# KiCad board vme-wren.kicad_pcb (continued)
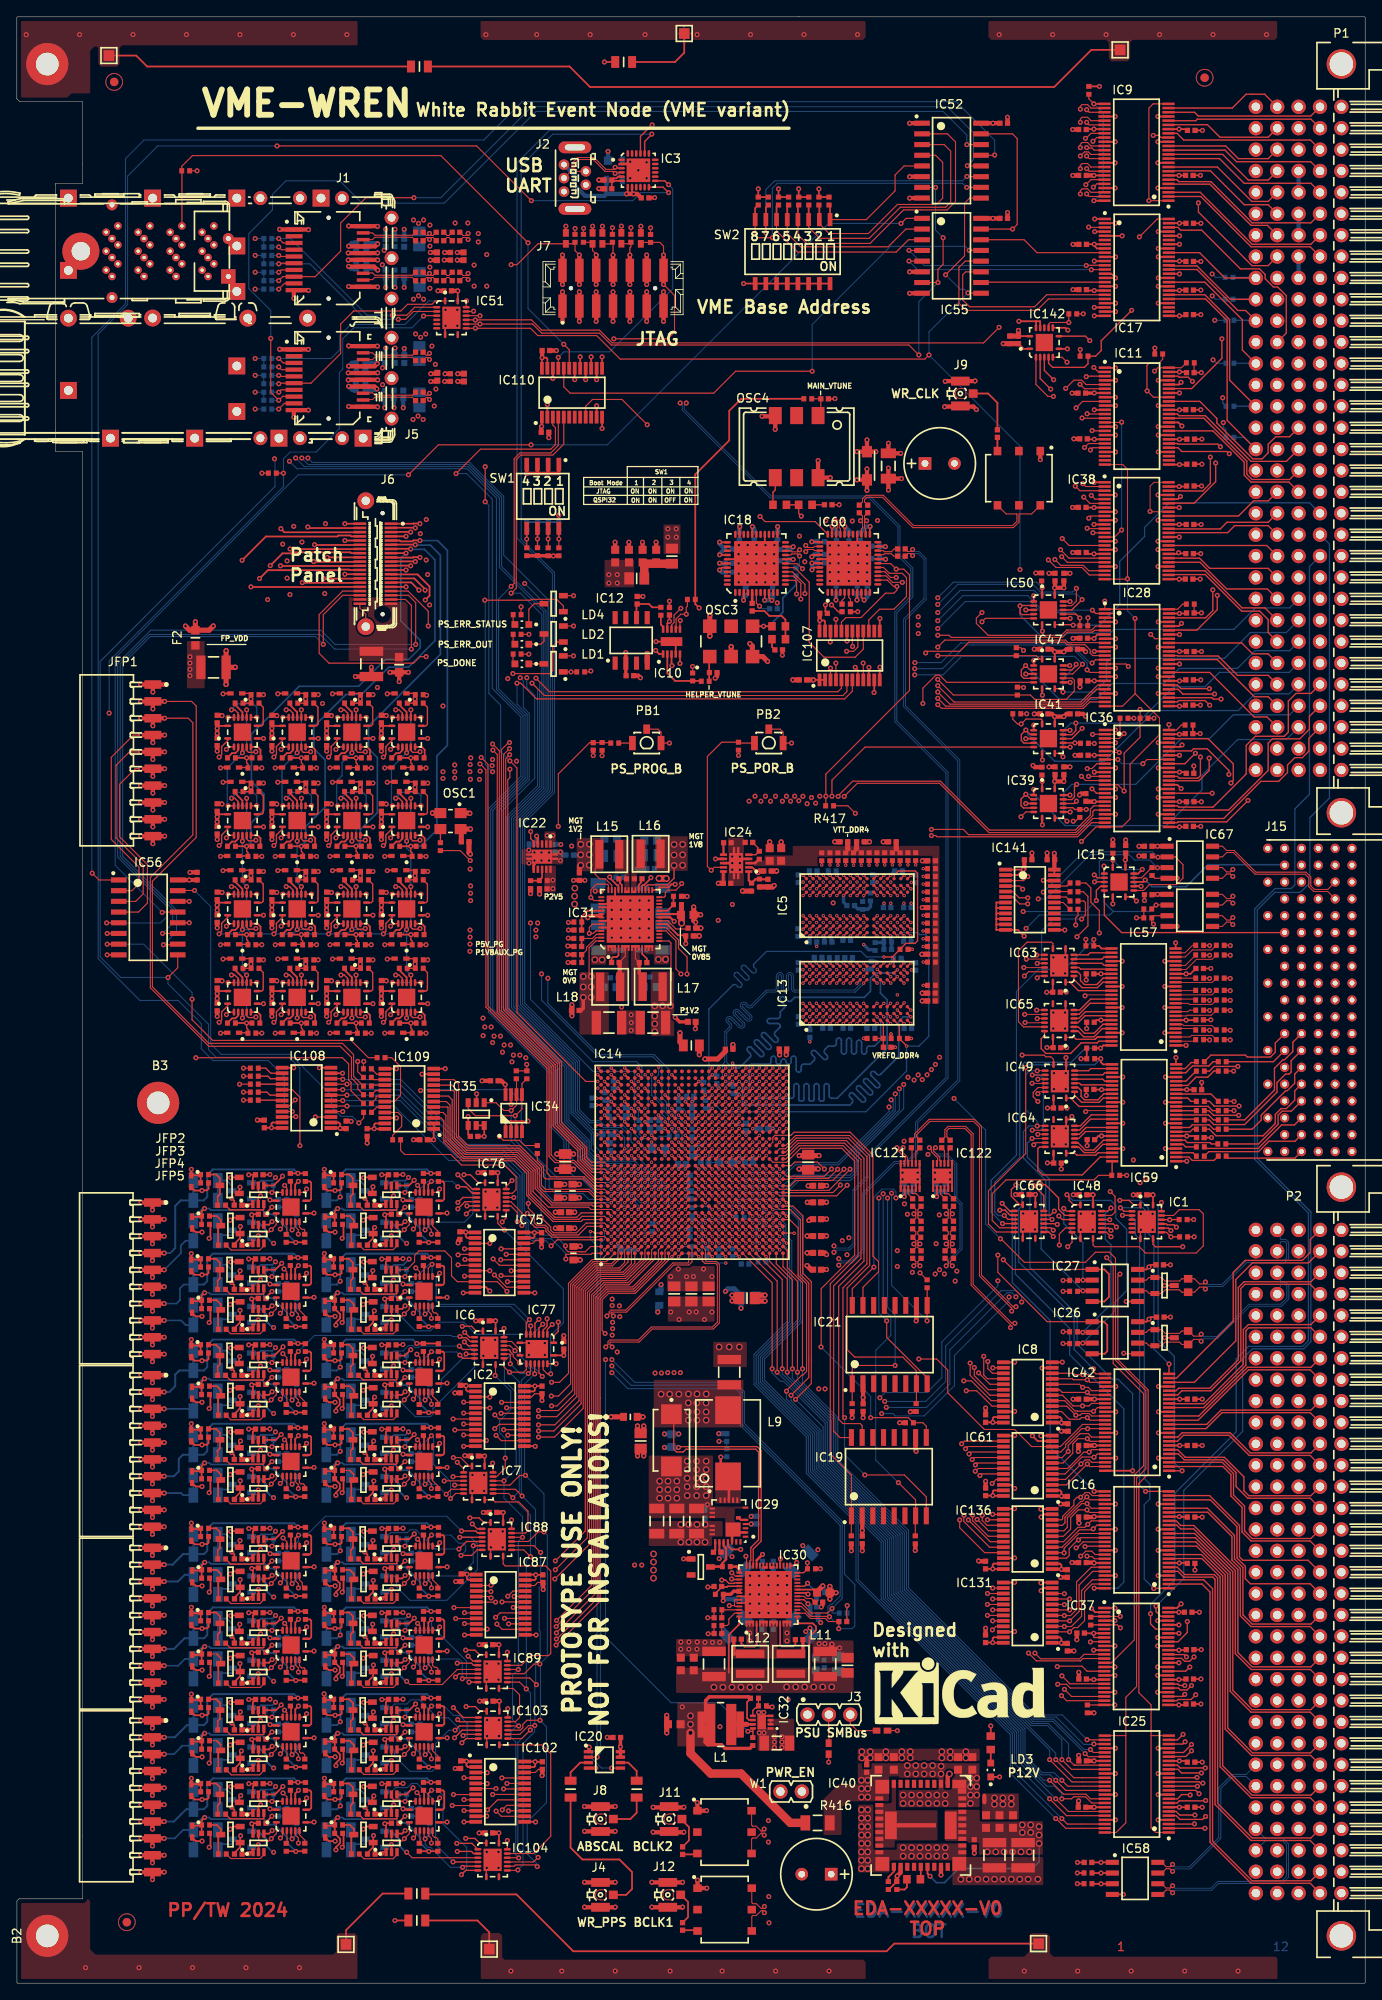
[diagram p0: board, top side]
## Nets (continued)
/io_drivers_fp/bank3/IOEXP_D: IC89.9 IC103.14
/io_drivers_fp/bank3/IOEXP_Q: IC104.9
/io_drivers_fp/bank3/OUT0: IC102.21 IC105.2 IC105.5
/io_drivers_fp/bank3/OUT1: IC102.20 IC105.9 IC105.12
/io_drivers_fp/bank3/OUT2: IC102.19 IC118.2 IC118.5
/io_drivers_fp/bank3/OUT3: IC102.18 IC118.9 IC118.12
/io_drivers_fp/bank3/OUT4: IC102.17 IC112.2 IC112.5
/io_drivers_fp/bank3/OUT5: IC102.16 IC112.9 IC112.12
/io_drivers_fp/bank3/OUT6: IC102.15 IC115.2 IC115.5
/io_drivers_fp/bank3/OUT7: IC102.14 IC115.9 IC115.12
/io_drivers_fp/bank3/TERM_EN0: IC103.15 T52.1
/io_drivers_fp/bank3/TERM_EN1: IC103.1 T31.1
/io_drivers_fp/bank3/TERM_EN2: IC103.4 T55.1
/io_drivers_fp/bank3/TERM_EN3: IC103.5 T39.1
/io_drivers_fp/bank3/TERM_EN4: IC104.15 T53.1
/io_drivers_fp/bank3/TERM_EN5: IC104.1 T35.1
/io_drivers_fp/bank3/TERM_EN6: IC104.4 T54.1
/io_drivers_fp/bank3/TERM_EN7: IC104.5 T37.1
/io_drivers_fp/F_IO0: IC14.E9 IC33.4 IC75.4
/io_drivers_fp/F_IO1: IC14.J9 IC43.4 IC75.3
/io_drivers_fp/F_IO2: IC14.K8 IC45.4 IC75.5
/io_drivers_fp/F_IO3: IC14.C6 IC46.4 IC75.6
/io_drivers_fp/F_IO4: IC14.F7 IC54.4 IC75.7
/io_drivers_fp/F_IO5: IC14.F6 IC68.4 IC75.8
/io_drivers_fp/F_IO6: IC14.F5 IC70.4 IC75.9
/io_drivers_fp/F_IO7: IC14.E4 IC71.4 IC75.10
/io_drivers_fp/F_IO8: IC2.4 IC14.B1 IC79.4
/io_drivers_fp/F_IO9: IC2.3 IC14.C1 IC80.4
/io_drivers_fp/F_IO10: IC2.5 IC14.D2 IC82.4
/io_drivers_fp/F_IO11: IC2.6 IC14.D1 IC83.4
/io_drivers_fp/F_IO12: IC2.7 IC14.E2 IC85.4
/io_drivers_fp/F_IO13: IC2.8 IC14.E1 IC86.4
/io_drivers_fp/F_IO14: IC2.9 IC14.F2 IC73.4
/io_drivers_fp/F_IO15: IC2.10 IC14.F1 IC74.4
/io_drivers_fp/F_IO16: IC14.H2 IC87.4 IC97.4
/io_drivers_fp/F_IO17: IC14.G1 IC87.3 IC98.4
/io_drivers_fp/F_IO18: IC14.H1 IC87.5 IC91.4
/io_drivers_fp/F_IO19: IC14.J2 IC87.6 IC92.4
/io_drivers_fp/F_IO20: IC14.J1 IC87.7 IC94.4
/io_drivers_fp/F_IO21: IC14.K2 IC87.8 IC95.4
/io_drivers_fp/F_IO22: IC14.K1 IC87.9 IC100.4
/io_drivers_fp/F_IO23: IC14.L2 IC87.10 IC101.4
/io_drivers_fp/F_IO24: IC14.E3 IC102.4 IC106.4
/io_drivers_fp/F_IO25: IC14.F3 IC102.3 IC111.4
/io_drivers_fp/F_IO26: IC14.G6 IC102.5 IC119.4
/io_drivers_fp/F_IO27: IC14.H6 IC102.6 IC120.4
/io_drivers_fp/F_IO28: IC14.G3 IC102.7 IC113.4
/io_drivers_fp/F_IO29: IC14.H4 IC102.8 IC114.4
/io_drivers_fp/F_IO30: IC14.H3 IC102.9 IC116.4
/io_drivers_fp/F_IO31: IC14.H7 IC102.10 IC117.4
/io_drivers_fp/I_IOEXP_D_IN: IC76.14 R449.2
/io_drivers_fp/I_IOEXP_RCLK: IC6.12 IC7.12 IC76.12 IC77.12 IC88.12 IC89.12 IC103.12 IC104.12 R450.2
/io_drivers_fp/I_IOEXP_SCLK: IC6.11 IC7.11 IC76.11 IC77.11 IC88.11 IC89.11 IC103.11 IC104.11 R452.2
/io_drivers_pp/bank0/OUT0: IC61.21 IC62.2 IC62.5
/io_drivers_pp/bank0/OUT1: IC61.20 IC62.9 IC62.12
/io_drivers_pp/bank0/OUT2: IC61.19 IC124.2 IC124.5
/io_drivers_pp/bank0/OUT3: IC61.18 IC124.9 IC124.12
/io_drivers_pp/bank0/OUT4: IC61.17 IC125.2 IC125.5
/io_drivers_pp/bank0/OUT5: IC61.16 IC125.9 IC125.12
/io_drivers_pp/bank0/OUT6: IC61.15 IC126.2 IC126.5
/io_drivers_pp/bank0/OUT7: IC61.14 IC126.9 IC126.12
/io_drivers_pp/bank1/OUT0: IC8.21 IC130.2 IC130.5
/io_drivers_pp/bank1/OUT1: IC8.20 IC130.9 IC130.12
/io_drivers_pp/bank1/OUT2: IC8.19 IC127.2 IC127.5
/io_drivers_pp/bank1/OUT3: IC8.18 IC127.9 IC127.12
/io_drivers_pp/bank1/OUT4: IC8.17 IC128.2 IC128.5
/io_drivers_pp/bank1/OUT5: IC8.16 IC128.9 IC128.12
/io_drivers_pp/bank1/OUT6: IC8.15 IC129.2 IC129.5
/io_drivers_pp/bank1/OUT7: IC8.14 IC129.9 IC129.12
/io_drivers_pp/bank2/OUT0: IC131.21 IC133.2 IC133.5
/io_drivers_pp/bank2/OUT1: IC131.20 IC133.9 IC133.12
/io_drivers_pp/bank2/OUT2: IC131.19 IC132.2 IC132.5
/io_drivers_pp/bank2/OUT3: IC131.18 IC132.9 IC132.12
/io_drivers_pp/bank2/OUT4: IC131.17 IC135.2 IC135.5
/io_drivers_pp/bank2/OUT5: IC131.16 IC135.9 IC135.12
/io_drivers_pp/bank2/OUT6: IC131.15 IC134.2 IC134.5
/io_drivers_pp/bank2/OUT7: IC131.14 IC134.9 IC134.12
/io_drivers_pp/bank3/OUT0: IC136.21 IC139.2 IC139.5
/io_drivers_pp/bank3/OUT1: IC136.20 IC139.9 IC139.12
/io_drivers_pp/bank3/OUT2: IC136.19 IC140.2 IC140.5
/io_drivers_pp/bank3/OUT3: IC136.18 IC140.9 IC140.12
/io_drivers_pp/bank3/OUT4: IC136.17 IC138.2 IC138.5
/io_drivers_pp/bank3/OUT5: IC136.16 IC138.9 IC138.12
/io_drivers_pp/bank3/OUT6: IC136.15 IC137.2 IC137.5
/io_drivers_pp/bank3/OUT7: IC136.14 IC137.9 IC137.12
/IOEXP.ALL_OE_N: IC1.13 IC6.13 IC7.13 IC48.13 IC49.13 IC51.13 IC63.13 IC64.13 IC65.13 IC66.13 IC76.13 IC77.13 IC88.13 IC89.13 IC103.13 IC104.13 IC108.20 R104.1
/IOEXP.ALL_RST_N: IC1.10 IC6.10 IC7.10 IC48.10 IC49.10 IC51.10 IC52.9 IC55.9 IC56.9 IC63.10 IC64.10 IC65.10 IC66.10 IC76.10 IC77.10 IC88.10 IC89.10 IC103.10 IC104.10 IC108.17 R103.1
/IOEXP.FPIO_D: IC109.21 R449.1
/IOEXP.FPIO_RCLK: IC108.15 R450.1
/IOEXP.FPIO_SCLK: IC108.14 R452.1
/IOEXP.GPIO_D: IC109.18 R463.1
/IOEXP.GPIO_Q: IC55.13 IC110.20
/IOEXP.GPIO_RCLK: IC109.20 R460.1
/IOEXP.GPIO_SCLK: IC109.19 R462.1
/IOEXP.HWBYTE1_D: IC141.21 R399.1
/IOEXP.HWBYTE1_RCLK: IC141.19 R386.1
/IOEXP.HWBYTE2_D: IC141.20 R396.1
/IOEXP.HWBYTE2_RCLK: IC141.18 R387.1
/IOEXP.VME_D: IC108.16 R456.1
/IOEXP.VME_RCLK: IC108.19 R455.1
/IOEXP.VME_SCLK: IC108.18 R458.1
/PCIE.PER_N: C375.2 C514.2
/PCIE.PER_P: C374.2 C513.2
/PCIE.PERST_N: IC110.19 J13.C1 R446.2
/PCIE.PET_N: C233.2 C516.2
/PCIE.PET_P: C230.2 C515.2
/PCIE.REFCLK_N: IC14.Y5 J13.A2
/PCIE.REFCLK_P: IC14.Y6 J13.A1
/pcie_connector/PCIE_PER_AC_N: C514.1 J13.B5
/pcie_connector/PCIE_PER_AC_P: C513.1 J13.B4
/pcie_connector/PCIE_PET_AC_N: C516.1 J13.D5
/pcie_connector/PCIE_PET_AC_P: C515.1 J13.D4
/PP_ID0: IC56.5 J6.35
/PP_ID1: IC56.10 J6.36
/PP_ID2: IC56.11 J6.37
/PP_LED0_DATA: J6.33 R187.2
/PP_LED1_DATA: J6.34 R188.2
/PP_OE_N: IC51.4 IC62.1 IC62.4 IC62.10 IC62.13 IC124.1 IC124.4 IC124.10 IC124.13 IC125.1 IC125.4 IC125.10 IC125.13 IC126.1 IC126.4 IC126.10 IC126.13 IC127.1 IC127.4 IC127.10 IC127.13 IC128.1 IC128.4 IC128.10 IC128.13 IC129.1 IC129.4 IC129.10 IC129.13 IC130.1 IC130.4 IC130.10 IC130.13 IC132.1 IC132.4 IC132.10 IC132.13 IC133.1 IC133.4 IC133.10 IC133.13 IC134.1 IC134.4 IC134.10 IC134.13 IC135.1 IC135.4 IC135.10 IC135.13 IC137.1 IC137.4 IC137.10 IC137.13 IC138.1 IC138.4 IC138.10 IC138.13 IC139.1 IC139.4 IC139.10 IC139.13 IC140.1 IC140.4 IC140.10 IC140.13 R316.1
/PP_OUT0: D77.1 J6.1 R93.2 R164.2 R309.2
/PP_OUT1: D78.1 J6.2 R281.2 R295.2 R323.2
/PP_OUT2: D79.1 J6.3 R337.2 R351.2 R410.2
/PP_OUT3: D80.1 J6.4 R365.2 R379.2 R424.2
/PP_OUT4: D81.1 J6.5 R438.2 R448.2 R510.2
/PP_OUT5: D82.1 J6.6 R508.2 R509.2 R511.2
/PP_OUT6: D83.1 J6.7 R512.2 R513.2 R516.2
/PP_OUT7: D84.1 J6.8 R514.2 R515.2 R517.2
/PP_OUT8: D89.1 J6.9 R530.2 R531.2 R534.2
/PP_OUT9: D90.1 J6.10 R532.2 R533.2 R535.2
/PP_OUT10: D75.1 J6.11 R218.2 R219.2 R262.2
/PP_OUT11: D76.1 J6.12 R220.2 R261.2 R267.2
/PP_OUT12: D85.1 J6.13 R518.2 R519.2 R522.2
/PP_OUT13: D86.1 J6.14 R520.2 R521.2 R523.2
/PP_OUT14: D87.1 J6.15 R524.2 R525.2 R528.2
/PP_OUT15: D88.1 J6.16 R526.2 R527.2 R529.2
/PP_OUT16: D93.1 J6.17 R542.2 R543.2 R546.2
/PP_OUT17: D94.1 J6.18 R544.2 R545.2 R547.2
/PP_OUT18: D91.1 J6.19 R536.2 R537.2 R540.2
/PP_OUT19: D92.1 J6.20 R538.2 R539.2 R541.2
/PP_OUT20: D97.1 J6.21 R554.2 R555.2 R558.2
/PP_OUT21: D98.1 J6.22 R556.2 R557.2 R559.2
/PP_OUT22: D95.1 J6.23 R548.2 R549.2 R552.2
/PP_OUT23: D96.1 J6.24 R550.2 R551.2 R553.2
/PP_OUT24: D103.1 J6.25 R572.2 R573.2 R576.2
/PP_OUT25: D104.1 J6.26 R574.2 R575.2 R577.2
/PP_OUT26: D105.1 J6.27 R578.2 R579.2 R582.2
/PP_OUT27: D106.1 J6.28 R580.2 R581.2 R583.2
/PP_OUT28: D101.1 J6.29 R566.2 R567.2 R570.2
/PP_OUT29: D102.1 J6.30 R568.2 R569.2 R571.2
/PP_OUT30: D99.1 J6.31 R560.2 R561.2 R564.2
/PP_OUT31: D100.1 J6.32 R562.2 R563.2 R565.2
/PP_VDD: C369.1 F1.2 J6.38 J6.39
/PS-QSPI.LWR_CLK: IC14.AG15 IC19.16
/PS-QSPI.LWR_CSN: IC14.AD16 IC19.7 R8.1
/PS-QSPI.LWR_DQ0: IC14.AH16 IC19.15
/PS-QSPI.LWR_DQ1: IC14.AG16 IC19.8
/PS-QSPI.LWR_DQ2: IC14.AF15 IC19.9 R12.1
/PS-QSPI.LWR_DQ3: IC14.AH15 IC19.1 R13.1
/PS-QSPI.UWR_CLK: IC14.AC17 IC21.16
/PS-QSPI.UWR_CSN: IC14.AH17 IC21.7 R14.1
/PS-QSPI.UWR_DQ0: IC14.AF17 IC21.15
/PS-QSPI.UWR_DQ1: IC14.AC16 IC21.8
/PS-QSPI.UWR_DQ2: IC14.AD17 IC21.9 R15.1
/PS-QSPI.UWR_DQ3: IC14.AE17 IC21.1 R16.1
/SFP0.RX_N: C61.1 IC14.T1
/SFP0.RX_P: C60.1 IC14.T2
/SFP0.TX_N: C89.1 IC14.R3
/SFP0.TX_P: C64.1 IC14.R4
/SFP0/SFP_RD_C_N: C61.2 J5.12
/SFP0/SFP_RD_C_P: C60.2 J5.13
/SFP0/SFP_TD_C_N: C89.2 J5.19
/SFP0/SFP_TD_C_P: C64.2 J5.18
/SFP0/SFP_VCCR: C3.2 C4.2 C5.1 C12.2 C13.2 J5.15 L3.1
/SFP0/SFP_VCCT: C9.2 C10.2 C11.2 C102.2 C103.1 J5.16 L4.1
/SFP0_MODABS: IC51.1 J5.6 R255.1
/SFP0_RSSI: IC52.14 J5.8 R19.1
/SFP0_SCL: IC14.C12 J5.5 R31.1
/SFP0_SDA: IC14.A15 J5.4 R30.1
/SFP0_TXDIS: IC51.15 J5.3 R254.1
/SFP1.RX_N: C366.1 C375.1 IC14.P1
/SFP1.RX_P: C365.1 C374.1 IC14.P2
/SFP1.TX_N: C233.1 C368.1 IC14.N3
/SFP1.TX_P: C230.1 C367.1 IC14.N4
/SFP1/SFP_RD_C_N: C366.2 J1.12
/SFP1/SFP_RD_C_P: C365.2 J1.13
/SFP1/SFP_TD_C_N: C368.2 J1.19
/SFP1/SFP_TD_C_P: C367.2 J1.18
/SFP1/SFP_VCCR: C355.2 C357.2 C359.2 C361.2 C363.1 J1.15 L8.1
/SFP1/SFP_VCCT: C356.2 C358.2 C360.2 C362.2 C364.1 J1.16 L19.1
/SFP1_MODABS: IC51.3 J1.6 R392.1
/SFP1_RSSI: IC52.12 J1.8 R394.1
/SFP1_SCL: IC14.B15 J1.5 R391.1
/SFP1_SDA: IC14.D15 J1.4 R389.1
/SFP1_TXDIS: IC51.2 J1.3 R390.1
/SFP_LED_DATA: JFP1.7 R193.2
/slow_gpio/GPIO_OUT5: IC51.5
/slow_gpio/GPIO_OUT6: IC51.6
/slow_gpio/GPIO_OUT7: IC51.7
/slow_gpio/I_IOEXP_RCLK: IC51.12 IC52.15 IC55.15 IC56.15 R460.2
/slow_gpio/I_IOEXP_SCLK: IC51.11 IC52.7 IC55.7 IC56.7 R462.2
/STRIP1_H: R398.2 TP1.1
/STRIP1_L: R400.2 TP4.1
/STRIP2_H: R397.2 TP3.1
/STRIP2_L: R401.2 TP6.1
/SWITCH0_N: IC52.11 R343.2 SW2.7
/SWITCH1_N: IC52.10 R330.2 SW2.8
/user_interface/USB_D_N: IC3.4 IC4.3 J2.2
/user_interface/USB_D_P: IC3.3 IC4.2 J2.3
/user_interface/USB_VBUS: C148.1 IC3.7 IC3.8 IC4.4 J2.1
/vme_interface/F_HWBYTE.H1_0: IC63.15 IC123.36
/vme_interface/F_HWBYTE.H1_1: IC63.1 IC123.35
/vme_interface/F_HWBYTE.H1_2: IC63.2 IC123.33
/vme_interface/F_HWBYTE.H1_3: IC63.3 IC123.32
/vme_interface/F_HWBYTE.H1_4: IC63.4 IC123.30
/vme_interface/F_HWBYTE.H1_5: IC63.5 IC123.29
/vme_interface/F_HWBYTE.H1_6: IC63.6 IC123.27
/vme_interface/F_HWBYTE.H1_7: IC63.7 IC123.26
/vme_interface/F_HWBYTE.H1_OE_N: IC66.5 IC123.25 R148.1
/vme_interface/F_HWBYTE.H2_0: IC49.15 IC59.36
/vme_interface/F_HWBYTE.H2_1: IC49.1 IC59.35
/vme_interface/F_HWBYTE.H2_2: IC49.2 IC59.33
/vme_interface/F_HWBYTE.H2_3: IC49.3 IC59.32
/vme_interface/F_HWBYTE.H2_4: IC49.4 IC59.30
/vme_interface/F_HWBYTE.H2_5: IC49.5 IC59.29
/vme_interface/F_HWBYTE.H2_6: IC49.6 IC59.27
/vme_interface/F_HWBYTE.H2_7: IC49.7 IC59.26
/vme_interface/F_HWBYTE.H2_OE_N: IC59.25 IC66.7 R186.1
/vme_interface/F_HWBYTE.L1_0: IC65.15 IC123.47
/vme_interface/F_HWBYTE.L1_1: IC65.1 IC123.46
/vme_interface/F_HWBYTE.L1_2: IC65.2 IC123.44
/vme_interface/F_HWBYTE.L1_3: IC65.3 IC123.43
/vme_interface/F_HWBYTE.L1_4: IC65.4 IC123.41
/vme_interface/F_HWBYTE.L1_5: IC65.5 IC123.40
/vme_interface/F_HWBYTE.L1_6: IC65.6 IC123.38
/vme_interface/F_HWBYTE.L1_7: IC65.7 IC123.37
/vme_interface/F_HWBYTE.L1_OE_N: IC66.4 IC123.48 R133.1
/vme_interface/F_HWBYTE.L2_0: IC59.47 IC64.15
/vme_interface/F_HWBYTE.L2_1: IC59.46 IC64.1
/vme_interface/F_HWBYTE.L2_2: IC59.44 IC64.2
/vme_interface/F_HWBYTE.L2_3: IC59.43 IC64.3
/vme_interface/F_HWBYTE.L2_4: IC59.41 IC64.4
/vme_interface/F_HWBYTE.L2_5: IC59.40 IC64.5
/vme_interface/F_HWBYTE.L2_6: IC59.38 IC64.6
/vme_interface/F_HWBYTE.L2_7: IC59.37 IC64.7
/vme_interface/F_HWBYTE.L2_OE_N: IC59.48 IC66.6 R171.1
/vme_interface/HWBYTE.H1_0: J15.B19 R221.2
/vme_interface/HWBYTE.H1_1: J15.B18 R224.2
/vme_interface/HWBYTE.H1_2: J15.B17 R225.2
/vme_interface/HWBYTE.H1_3: J15.B16 R228.2
/vme_interface/HWBYTE.H1_4: J15.B15 R229.2
/vme_interface/HWBYTE.H1_5: J15.B14 R230.2
/vme_interface/HWBYTE.H1_6: J15.B13 R231.2
/vme_interface/HWBYTE.H1_7: J15.B12 R232.2
/vme_interface/HWBYTE.H2_0: J15.E19 R116.2
/vme_interface/HWBYTE.H2_1: J15.E18 R249.2
/vme_interface/HWBYTE.H2_2: J15.E17 R250.2
/vme_interface/HWBYTE.H2_3: J15.E16 R252.2
/vme_interface/HWBYTE.H2_4: J15.E15 R256.2
/vme_interface/HWBYTE.H2_5: J15.E14 R257.2
/vme_interface/HWBYTE.H2_6: J15.E13 R258.2
/vme_interface/HWBYTE.H2_7: J15.E12 R259.2
/vme_interface/HWBYTE.L1_0: J15.A19 R233.2
/vme_interface/HWBYTE.L1_1: J15.A18 R234.2
/vme_interface/HWBYTE.L1_2: J15.A17 R235.2
/vme_interface/HWBYTE.L1_3: J15.A16 R236.2
/vme_interface/HWBYTE.L1_4: J15.A15 R237.2
/vme_interface/HWBYTE.L1_5: J15.A14 R238.2
/vme_interface/HWBYTE.L1_6: J15.A13 R239.2
/vme_interface/HWBYTE.L1_7: J15.A12 R240.2
/vme_interface/HWBYTE.L2_0: J15.D19 R241.2
/vme_interface/HWBYTE.L2_1: J15.D18 R242.2
/vme_interface/HWBYTE.L2_2: J15.D17 R243.2
/vme_interface/HWBYTE.L2_3: J15.D16 R244.2
/vme_interface/HWBYTE.L2_4: J15.D15 R245.2
/vme_interface/HWBYTE.L2_5: J15.D14 R246.2
/vme_interface/HWBYTE.L2_6: J15.D13 R247.2
/vme_interface/HWBYTE.L2_7: J15.D12 R248.2
/vme_interface/I_HWBYTE1_D: IC63.14 R399.2
/vme_interface/I_HWBYTE1_Q: IC63.9 IC65.14
/vme_interface/I_HWBYTE1_RCLK: IC63.12 IC65.12 R386.2
/vme_interface/I_HWBYTE2_D: IC49.14 R396.2
/vme_interface/I_HWBYTE2_Q: IC49.9 IC64.14
/vme_interface/I_HWBYTE2_RCLK: IC49.12 IC64.12 R387.2
/vme_interface/I_IOEXP_RCLK: IC1.12 IC48.12 IC66.12 R455.2
/vme_interface/I_IOEXP_SCLK: IC1.11 IC48.11 IC49.11 IC63.11 IC64.11 IC65.11 IC66.11 R458.2
/vme_interface/LVDS_BUNCHCLK1_N: IC67.8 J15.B3
/vme_interface/LVDS_BUNCHCLK1_P: IC67.7 J15.B4
/vme_interface/LVDS_BUNCHCLK2_N: IC67.5 J15.E3
/vme_interface/LVDS_BUNCHCLK2_P: IC67.6 J15.E4
/vme_interface/LVDS_TURNCLK1_N: IC57.8 J15.B7
/vme_interface/LVDS_TURNCLK1_P: IC57.7 J15.B8
/vme_interface/LVDS_TURNCLK2_N: IC57.5 J15.E7
/vme_interface/LVDS_TURNCLK2_P: IC57.6 J15.E8
/vme_interface/P0_OE_N: IC15.1 IC15.4 IC15.10 IC15.13 IC48.4 R260.1
/vme_interface/RS485_DATA0_DE: IC27.3 IC48.3 R121.2
/vme_interface/RS485_DATA0_N: D30.1 IC27.7 P2.C2 R87.2
/vme_interface/RS485_DATA0_P: D30.2 IC27.6 P2.C1 R87.1
/vme_interface/RS485_DATA0_RE_N: IC27.2 IC48.2 R69.1
/vme_interface/RS485_DATA1_DE: IC26.3 IC48.1 R68.2
/vme_interface/RS485_DATA1_N: D29.1 IC26.7 P2.C4 R88.2
/vme_interface/RS485_DATA1_P: D29.2 IC26.6 P2.C3 R88.1
/vme_interface/RS485_DATA1_RE_N: IC26.2 IC48.15 R117.1
/vme_interface/TTC_DATA0_N: IC58.8 P2.D26
/vme_interface/TTC_DATA0_P: IC58.7 P2.D27
/vme_interface/TTC_DATA1_N: IC58.5 P2.D29
/vme_interface/TTC_DATA1_P: IC58.6 P2.D30
/vme_interface/TTL_BUNCHCLK1: IC15.8 J15.B2
/vme_interface/TTL_BUNCHCLK2: IC15.11 J15.E2
/vme_interface/TTL_TURNCLK1: IC15.3 J15.B6
/vme_interface/TTL_TURNCLK2: IC15.6 J15.E6
/vme_interface/vme_buffers_addr/VMEPX.A1: IC36.27 P1.A30
/vme_interface/vme_buffers_addr/VMEPX.A2: IC36.29 P1.A29
/vme_interface/vme_buffers_addr/VMEPX.A3: IC36.30 P1.A28
/vme_interface/vme_buffers_addr/VMEPX.A4: IC28.26 P1.A27
/vme_interface/vme_buffers_addr/VMEPX.A5: IC28.27 P1.A26
/vme_interface/vme_buffers_addr/VMEPX.A6: IC28.29 P1.A25
/vme_interface/vme_buffers_addr/VMEPX.A7: IC28.30 P1.A24
/vme_interface/vme_buffers_addr/VMEPX.A8: IC28.33 P1.C30
/vme_interface/vme_buffers_addr/VMEPX.A9: IC28.36 P1.C29
/vme_interface/vme_buffers_addr/VMEPX.A10: IC28.37 P1.C28
/vme_interface/vme_buffers_addr/VMEPX.A11: IC28.40 P1.C27
/vme_interface/vme_buffers_addr/VMEPX.A12: IC38.26 P1.C26
/vme_interface/vme_buffers_addr/VMEPX.A13: IC38.27 P1.C25
/vme_interface/vme_buffers_addr/VMEPX.A14: IC38.29 P1.C24
/vme_interface/vme_buffers_addr/VMEPX.A15: IC38.30 P1.C23
/vme_interface/vme_buffers_addr/VMEPX.A16: IC38.33 P1.C22
/vme_interface/vme_buffers_addr/VMEPX.A17: IC38.36 P1.C21
/vme_interface/vme_buffers_addr/VMEPX.A18: IC38.37 P1.C20
/vme_interface/vme_buffers_addr/VMEPX.A19: IC38.40 P1.C19
/vme_interface/vme_buffers_addr/VMEPX.A20: IC36.33 P1.C18
/vme_interface/vme_buffers_addr/VMEPX.A21: IC36.36 P1.C17
/vme_interface/vme_buffers_addr/VMEPX.A22: IC36.37 P1.C16
/vme_interface/vme_buffers_addr/VMEPX.A23: IC36.40 P1.C15
/vme_interface/vme_buffers_addr/VMEPX.A24: IC37.40 P2.B4
/vme_interface/vme_buffers_addr/VMEPX.A25: IC37.37 P2.B5
/vme_interface/vme_buffers_addr/VMEPX.A26: IC37.36 P2.B6
/vme_interface/vme_buffers_addr/VMEPX.A27: IC37.33 P2.B7
/vme_interface/vme_buffers_addr/VMEPX.A28: IC37.30 P2.B8
/vme_interface/vme_buffers_addr/VMEPX.A29: IC37.29 P2.B9
/vme_interface/vme_buffers_addr/VMEPX.A30: IC37.27 P2.B10
/vme_interface/vme_buffers_addr/VMEPX.A31: IC37.26 P2.B11
/vme_interface/vme_buffers_addr/VMEPX.AM0: IC11.40 P1.B16
/vme_interface/vme_buffers_addr/VMEPX.AM1: IC11.37 P1.B17
/vme_interface/vme_buffers_addr/VMEPX.AM2: IC11.36 P1.B18
/vme_interface/vme_buffers_addr/VMEPX.AM3: IC11.33 P1.B19
/vme_interface/vme_buffers_addr/VMEPX.AM4: IC11.30 P1.A23
/vme_interface/vme_buffers_addr/VMEPX.AM5: IC11.29 P1.C14
/vme_interface/vme_buffers_addr/VMEPX.AS_N: IC28.43 P1.A18
/vme_interface/vme_buffers_addr/VMEPX.BERR_N: IC11.43 P1.C11
/vme_interface/vme_buffers_addr/VMEPX.BG3IN: IC142.5 P1.B10 R402.2
/vme_interface/vme_buffers_addr/VMEPX.BG3OUT: IC142.3 P1.B11 R402.1
/vme_interface/vme_buffers_addr/VMEPX.BR3: IC142.8 P1.B15
/vme_interface/vme_buffers_addr/VMEPX.D0: IC17.22 P1.A1
/vme_interface/vme_buffers_addr/VMEPX.D1: IC17.20 P1.A2
/vme_interface/vme_buffers_addr/VMEPX.D2: IC17.17 P1.A3
/vme_interface/vme_buffers_addr/VMEPX.D3: IC17.13 P1.A4
/vme_interface/vme_buffers_addr/VMEPX.D4: IC17.11 P1.A5
/vme_interface/vme_buffers_addr/VMEPX.D5: IC17.6 P1.A6
/vme_interface/vme_buffers_addr/VMEPX.D6: IC17.3 P1.A7
/vme_interface/vme_buffers_addr/VMEPX.D7: IC17.2 P1.A8
/vme_interface/vme_buffers_addr/VMEPX.D8: IC17.23 P1.C1
/vme_interface/vme_buffers_addr/VMEPX.D9: IC17.19 P1.C2
/vme_interface/vme_buffers_addr/VMEPX.D10: IC17.14 P1.C3
/vme_interface/vme_buffers_addr/VMEPX.D11: IC17.12 P1.C4
/vme_interface/vme_buffers_addr/VMEPX.D12: IC17.9 P1.C5
/vme_interface/vme_buffers_addr/VMEPX.D13: IC17.8 P1.C6
/vme_interface/vme_buffers_addr/VMEPX.D14: IC17.5 P1.C7
/vme_interface/vme_buffers_addr/VMEPX.D15: IC17.16 P1.C8
/vme_interface/vme_buffers_addr/VMEPX.D16: IC25.12 P2.B14
/vme_interface/vme_buffers_addr/VMEPX.D17: IC25.11 P2.B15
/vme_interface/vme_buffers_addr/VMEPX.D18: IC25.9 P2.B16
/vme_interface/vme_buffers_addr/VMEPX.D19: IC25.8 P2.B17
/vme_interface/vme_buffers_addr/VMEPX.D20: IC25.6 P2.B18
/vme_interface/vme_buffers_addr/VMEPX.D21: IC25.5 P2.B19
/vme_interface/vme_buffers_addr/VMEPX.D22: IC25.3 P2.B20
/vme_interface/vme_buffers_addr/VMEPX.D23: IC25.2 P2.B21
/vme_interface/vme_buffers_addr/VMEPX.D24: IC25.23 P2.B23
/vme_interface/vme_buffers_addr/VMEPX.D25: IC25.22 P2.B24
/vme_interface/vme_buffers_addr/VMEPX.D26: IC25.20 P2.B25
/vme_interface/vme_buffers_addr/VMEPX.D27: IC25.19 P2.B26
/vme_interface/vme_buffers_addr/VMEPX.D28: IC25.17 P2.B27
/vme_interface/vme_buffers_addr/VMEPX.D29: IC25.16 P2.B28
/vme_interface/vme_buffers_addr/VMEPX.D30: IC25.14 P2.B29
/vme_interface/vme_buffers_addr/VMEPX.D31: IC25.13 P2.B30
/vme_interface/vme_buffers_addr/VMEPX.DS0_N: IC38.43 P1.A13
/vme_interface/vme_buffers_addr/VMEPX.DS1_N: IC38.46 P1.A12
/vme_interface/vme_buffers_addr/VMEPX.DTACK_N: IC36.46 P1.A16
/vme_interface/vme_buffers_addr/VMEPX.GA0: IC9.37 P1.D10 R56.1
/vme_interface/vme_buffers_addr/VMEPX.GA1: IC9.36 P1.D11 R59.1
/vme_interface/vme_buffers_addr/VMEPX.GA2: IC9.33 P1.D13 R60.1
/vme_interface/vme_buffers_addr/VMEPX.GA3: IC9.30 P1.D15 R61.1
/vme_interface/vme_buffers_addr/VMEPX.GA4: IC9.29 P1.D17 R67.1
/vme_interface/vme_buffers_addr/VMEPX.GAP: IC9.40 P1.D9 R55.1
/vme_interface/vme_buffers_addr/VMEPX.IACK_N: IC50.8 P1.A20
/vme_interface/vme_buffers_addr/VMEPX.IACKIN_N: IC37.46 P1.A21
/vme_interface/vme_buffers_addr/VMEPX.IACKOUT_N: IC37.43 P1.A22
/vme_interface/vme_buffers_addr/VMEPX.IRQ_N1: IC39.3 IC39.5 P1.B30
/vme_interface/vme_buffers_addr/VMEPX.IRQ_N2: IC39.8 IC39.12 P1.B29
/vme_interface/vme_buffers_addr/VMEPX.IRQ_N3: IC41.3 IC41.5 P1.B28
/vme_interface/vme_buffers_addr/VMEPX.IRQ_N4: IC41.8 IC41.12 P1.B27
/vme_interface/vme_buffers_addr/VMEPX.IRQ_N5: IC47.3 IC47.5 P1.B26
/vme_interface/vme_buffers_addr/VMEPX.IRQ_N6: IC47.8 IC47.12 P1.B25
/vme_interface/vme_buffers_addr/VMEPX.IRQ_N7: IC50.3 IC50.5 P1.B24
/vme_interface/vme_buffers_addr/VMEPX.LWORD_N: IC36.26 P1.C13
/vme_interface/vme_buffers_addr/VMEPX.RETRY_N: IC11.46 P2.B3
/vme_interface/vme_buffers_addr/VMEPX.SYSCLK: IC28.46 P1.A10
/vme_interface/vme_buffers_addr/VMEPX.SYSRESET: IC9.46 P1.C12
/vme_interface/vme_buffers_addr/VMEPX.TCK: P1.Z3
/vme_interface/vme_buffers_addr/VMEPX.TDI: P1.Z7
/vme_interface/vme_buffers_addr/VMEPX.TDO: P1.Z5
/vme_interface/vme_buffers_addr/VMEPX.TMS: P1.Z9
/vme_interface/vme_buffers_addr/VMEPX.TRST: P1.Z1
/vme_interface/vme_buffers_addr/VMEPX.WRITE_N: IC36.43 P1.A14
/vme_interface/vme_p1_p2/VMEPX.ACFAIL: P1.B3
/vme_interface/vme_p1_p2/VMEPX.BBSY: P1.B1
/vme_interface/vme_p1_p2/VMEPX.BCLR: P1.B2
/vme_interface/vme_p1_p2/VMEPX.BG0IN: P1.B4 P1.B5
/vme_interface/vme_p1_p2/VMEPX.BG1IN: P1.B6 P1.B7
/vme_interface/vme_p1_p2/VMEPX.BG2IN: P1.B8 P1.B9
/vme_interface/vme_p1_p2/VMEPX.BR0: P1.B12
/vme_interface/vme_p1_p2/VMEPX.BR1: P1.B13
/vme_interface/vme_p1_p2/VMEPX.BR2: P1.B14
/vme_interface/vme_p1_p2/VMEPX.SERA: P1.B21
/vme_interface/vme_p1_p2/VMEPX.SERB: P1.B22
/vme_interface/vme_p1_p2/VMEPX.SYSFAIL: P1.C10
/vme_interface/VMEPX_USERIO_A.IO0: IC42.23 P2.A1
/vme_interface/VMEPX_USERIO_A.IO1: IC42.22 P2.A2
/vme_interface/VMEPX_USERIO_A.IO2: IC42.20 P2.A3
/vme_interface/VMEPX_USERIO_A.IO3: IC42.19 P2.A4
/vme_interface/VMEPX_USERIO_A.IO4: IC42.17 P2.A5
/vme_interface/VMEPX_USERIO_A.IO5: IC42.16 P2.A6
/vme_interface/VMEPX_USERIO_A.IO6: IC42.14 P2.A7
/vme_interface/VMEPX_USERIO_A.IO7: IC42.13 P2.A8
/vme_interface/VMEPX_USERIO_A.IO8: IC42.12 P2.A9
/vme_interface/VMEPX_USERIO_A.IO9: IC42.11 P2.A10
/vme_interface/VMEPX_USERIO_A.IO10: IC42.9 P2.A11
/vme_interface/VMEPX_USERIO_A.IO11: IC42.8 P2.A12
/vme_interface/VMEPX_USERIO_A.IO12: IC42.6 P2.A13
/vme_interface/VMEPX_USERIO_A.IO13: IC42.5 P2.A14
/vme_interface/VMEPX_USERIO_A.IO14: IC42.3 P2.A15
/vme_interface/VMEPX_USERIO_A.IO15: IC42.2 P2.A16
/vme_interface/VMEPX_USERIO_A.IO16: IC16.23 P2.A17
/vme_interface/VMEPX_USERIO_A.IO17: IC16.22 P2.A18
/vme_interface/VMEPX_USERIO_A.IO18: IC16.20 P2.A19
/vme_interface/VMEPX_USERIO_A.IO19: IC16.19 P2.A20
/vme_interface/VMEPX_USERIO_A.IO20: IC16.17 P2.A21
/vme_interface/VMEPX_USERIO_A.IO21: IC16.16 P2.A22
/vme_interface/VMEPX_USERIO_A.IO22: IC16.14 P2.A23
/vme_interface/VMEPX_USERIO_A.IO23: IC16.13 P2.A24
/vme_interface/VMEPX_USERIO_A.IO24: IC16.12 P2.A25
/vme_interface/VMEPX_USERIO_A.IO25: IC16.11 P2.A26
/vme_interface/VMEPX_USERIO_A.IO26: IC16.9 P2.A27
/vme_interface/VMEPX_USERIO_A.IO27: IC16.8 P2.A28
/vme_interface/VMEPX_USERIO_A.IO28: IC16.6 P2.A29
/vme_interface/VMEPX_USERIO_A.IO29: IC16.5 P2.A30
/vme_interface/VMEPX_USERIO_A.IO30: IC16.3 P2.A31
/vme_interface/VMEPX_USERIO_A.IO31: IC16.2 P2.A32
/VMEF.A1: IC14.AA10 IC38.22
/VMEF.A2: IC14.AB9 IC38.20
/VMEF.A3: IC14.AB10 IC38.19
/VMEF.A4: IC14.AD10 IC38.16
/VMEF.A5: IC14.AF10 IC38.13
/VMEF.A6: IC14.AE10 IC38.12
/VMEF.A7: IC14.AF11 IC38.9
/VMEF.A8: IC14.AD12 IC28.23
/VMEF.A9: IC14.AE13 IC28.22
/VMEF.A10: IC14.AE14 IC28.20
/VMEF.A11: IC14.AB11 IC28.19
/VMEF.A12: IC14.AB13 IC28.16
/VMEF.A13: IC14.AA12 IC28.13
/VMEF.A14: IC14.Y9 IC28.12
/VMEF.A15: IC14.AD11 IC28.9
/VMEF.A16: IC14.W12 IC36.23
/VMEF.A17: IC14.Y12 IC36.22
/VMEF.A18: IC14.L13 IC36.20
/VMEF.A19: IC14.L14 IC36.19
/VMEF.A20: IC14.A13 IC36.16
/VMEF.A21: IC14.A12 IC36.13
/VMEF.A22: IC14.H13 IC36.12
/VMEF.A23: IC14.G13 IC36.9
/VMEF.A24: IC14.G11 IC37.9
/VMEF.A25: IC14.K12 IC37.12
/VMEF.A26: IC14.J12 IC37.13
/VMEF.A27: IC14.K13 IC37.16
/VMEF.A28: IC14.C13 IC37.19
/VMEF.A29: IC14.D14 IC37.20
/VMEF.A30: IC14.E14 IC37.22
/VMEF.A31: IC14.G14 IC37.23
/VMEF.A_DIR: IC11.24 IC14.E15 IC28.24 IC36.24 IC37.24 IC38.24 R40.1
/VMEF.A_OE_N: IC11.14 IC14.K14 IC28.14 IC36.14 IC37.14 IC38.14 R92.1
/VMEF.AM0: IC11.9 IC14.Y14
/VMEF.AM1: IC11.12 IC14.AB14
/VMEF.AM2: IC11.13 IC14.Y13
/VMEF.AM3: IC11.16 IC14.AC14
/VMEF.AM4: IC11.19 IC14.AG14
/VMEF.AM5: IC11.20 IC14.AD14
/VMEF.AS_N_DIR: IC14.F12 IC28.41
/VMEF.AS_N_IN: IC14.AH14 IC28.6
/VMEF.AS_N_OUT: IC14.AH10 IC28.5
/VMEF.BERR_IN: IC11.6 IC14.AD15
/VMEF.BERR_OE: IC11.41 IC14.F11 R315.1
/VMEF.BERR_OUT: IC11.5 IC14.AE15
/VMEF.BG3IN: IC14.B14 IC142.6
/VMEF.BG3OUT: IC14.C14 IC142.2
/VMEF.BR3: IC14.H11 IC142.10 R403.2
/VMEF.D0: IC14.AG5 IC17.36
/VMEF.D1: IC14.AG6 IC17.35
/VMEF.D2: IC14.AC6 IC17.33
/VMEF.D3: IC14.AH7 IC17.32
/VMEF.D4: IC14.AC8 IC17.30
/VMEF.D5: IC14.AC7 IC17.29
/VMEF.D6: IC14.AH9 IC17.27
/VMEF.D7: IC14.AG9 IC17.26
/VMEF.D8: IC14.AF2 IC17.47
/VMEF.D9: IC14.AF3 IC17.46
/VMEF.D10: IC14.AG3 IC17.44
/VMEF.D11: IC14.AH3 IC17.43
/VMEF.D12: IC14.AG4 IC17.41
/VMEF.D13: IC14.AD5 IC17.40
/VMEF.D14: IC14.AH4 IC17.38
/VMEF.D15: IC14.AB6 IC17.37
/VMEF.D16: IC14.AG8 IC25.37
/VMEF.D17: IC14.AH6 IC25.38
/VMEF.D18: IC14.AE9 IC25.40
/VMEF.D19: IC14.AF8 IC25.41
/VMEF.D20: IC14.AD9 IC25.43
/VMEF.D21: IC14.AD7 IC25.44
/VMEF.D22: IC14.AB8 IC25.46
/VMEF.D23: IC14.AE4 IC25.47
/VMEF.D24: IC14.AH2 IC25.26
/VMEF.D25: IC14.AH1 IC25.27
/VMEF.D26: IC14.AG1 IC25.29
/VMEF.D27: IC14.AF1 IC25.30
/VMEF.D28: IC14.AD1 IC25.32
/VMEF.D29: IC14.AC1 IC25.33
/VMEF.D30: IC14.AB1 IC25.35
/VMEF.D31: IC14.AH8 IC25.36
/VMEF.D_DIR: IC14.AE3 IC17.1 IC17.24 IC25.1 IC25.24
/VMEF.D_OE_N: IC14.AC9 IC17.25 IC17.48 IC25.25 IC25.48 R99.1
/VMEF.DS0_N_IN: IC14.AE12 IC38.6
/VMEF.DS0_N_OUT: IC14.AF12 IC38.5
/VMEF.DS1_N_IN: IC14.AG13 IC38.3
/VMEF.DS1_N_OUT: IC14.AF13 IC38.2
/VMEF.DS_N_OE: IC14.D12 IC38.41 IC38.48
/VMEF.DTACK_N_IN: IC14.G15 IC36.3
/VMEF.DTACK_N_OUT: IC14.H14 IC36.2 R89.1
/VMEF.DTACK_OE: IC14.F15 IC36.48 R90.1
/VMEF.GA0: IC9.12 IC55.4
/VMEF.GA1: IC9.13 IC55.5
/VMEF.GA2: IC9.16 IC55.10
/VMEF.GA3: IC9.19 IC55.11
/VMEF.GA4: IC9.20 IC55.12
/VMEF.GAP: IC9.9 IC55.14
/VMEF.IACK_N_IN: IC14.AG11 IC50.12
/VMEF.IACK_N_OUT: IC14.AH11 IC50.11
/VMEF.IACK_OE_N: IC14.AH13 IC50.10 R329.1
/VMEF.IACKIN_N_IN: IC14.J10 IC37.3 R95.1
/VMEF.IACKOUT_N_OUT: IC14.G10 IC37.5 R95.2
/VMEF.IRQ_IN_N1: IC14.W11 IC39.6
/VMEF.IRQ_IN_N2: IC14.B13 IC39.11
/VMEF.IRQ_IN_N3: IC14.J14 IC41.6
/VMEF.IRQ_IN_N4: IC14.E13 IC41.11
/VMEF.IRQ_IN_N5: IC14.AA11 IC47.6
/VMEF.IRQ_IN_N6: IC14.AA13 IC47.11
/VMEF.IRQ_IN_N7: IC14.AG10 IC50.6
/VMEF.IRQ_OUT_N1: IC14.B11 IC39.1 R102.1
/VMEF.IRQ_OUT_N2: IC14.A14 IC39.10 R189.1
/VMEF.IRQ_OUT_N3: IC14.E12 IC41.1 R101.1
/VMEF.IRQ_OUT_N4: IC14.F10 IC41.10 R204.1
/VMEF.IRQ_OUT_N5: IC14.AC11 IC47.1 R223.1
/VMEF.IRQ_OUT_N6: IC14.AC12 IC47.10 R263.1
/VMEF.IRQ_OUT_N7: IC14.AC13 IC50.1 R264.1
/VMEF.LWORD_N: IC14.AA8 IC38.23
/VMEF.NOGA_N0: IC52.5 R385.2 SW2.1
/VMEF.NOGA_N1: IC52.4 R372.2 SW2.2
/VMEF.NOGA_N2: IC52.3 R371.2 SW2.3
/VMEF.NOGA_N3: IC52.2 R358.2 SW2.4
/VMEF.NOGA_N4: IC55.2 R357.2 SW2.5
/VMEF.RETRY_IN: IC11.3 IC14.AB15
/VMEF.RETRY_OE: IC11.48 IC14.C11 R114.1
/VMEF.RETRY_OUT: IC11.2 IC14.W14
/VMEF.SYSCLK: IC14.AH12 IC28.2 IC28.3
/VMEF.SYSCLK_DIR: IC28.1 IC28.48 IC48.6 R98.1
/VMEF.SYSRESET_N: IC9.3 IC14.W13
/VMEF.SYSRESET_N_DIR: IC9.48 IC48.7
/VMEF.USEGA_N: IC55.3 R344.2 SW2.6
/VMEF.WRITE_N: IC14.A11 IC36.5 IC36.6
/VMEF.WRITE_N_DIR: IC14.B10 IC36.8 IC36.41
/WR_CLK.25M_HELPER: OSC3.4 R65.1 R201.1
/WR_CLK.ABSCAL: IC14.A4 IC20.5
/WR_CLK.AUX_N: IC14.D6 IC60.35
/WR_CLK.AUX_P: IC14.D7 IC60.36
/WR_CLK.HELPER_N: IC14.E5 IC18.20
/WR_CLK.HELPER_P: IC14.D5 IC18.19 R65.2
/WR_CLK.MAIN_N: C248.2 IC14.C2 IC60.24
/WR_CLK.MAIN_P: C246.2 IC14.C3 IC60.25
/WR_CLK.PPS: IC14.B4 IC20.2
/WR_CLK.RSTN: IC14.G18 IC18.17 IC60.17 R417.2
/WR_CLK.SFP_N: C266.1 IC14.V5
/WR_CLK.SFP_P: C265.1 IC14.V6
/WR_CLK.SI5340_IRQ_N: IC14.D16 IC60.33
/WR_CLK.SPI_HELPER_CS_N: IC18.16 IC107.16
/WR_CLK.SPI_MAIN_CS_N: IC60.16 IC107.15
/WR_CLK.SPI_MISO: IC18.15 IC60.15 IC110.15
/WR_CLK.SPI_MOSI: IC18.13 IC60.13 IC107.20
